# Altium PCB ic_tester.PcbDoc (part 1 of 2)
Units mm, origin at the board's own origin, x right, y up, seen from the top; angles counter-clockwise.
Board outline 163 x 108 mm, 2 copper layers (Top Layer, Bottom Layer); 236 components, 232 nets, 1123 pads, 124 vias.
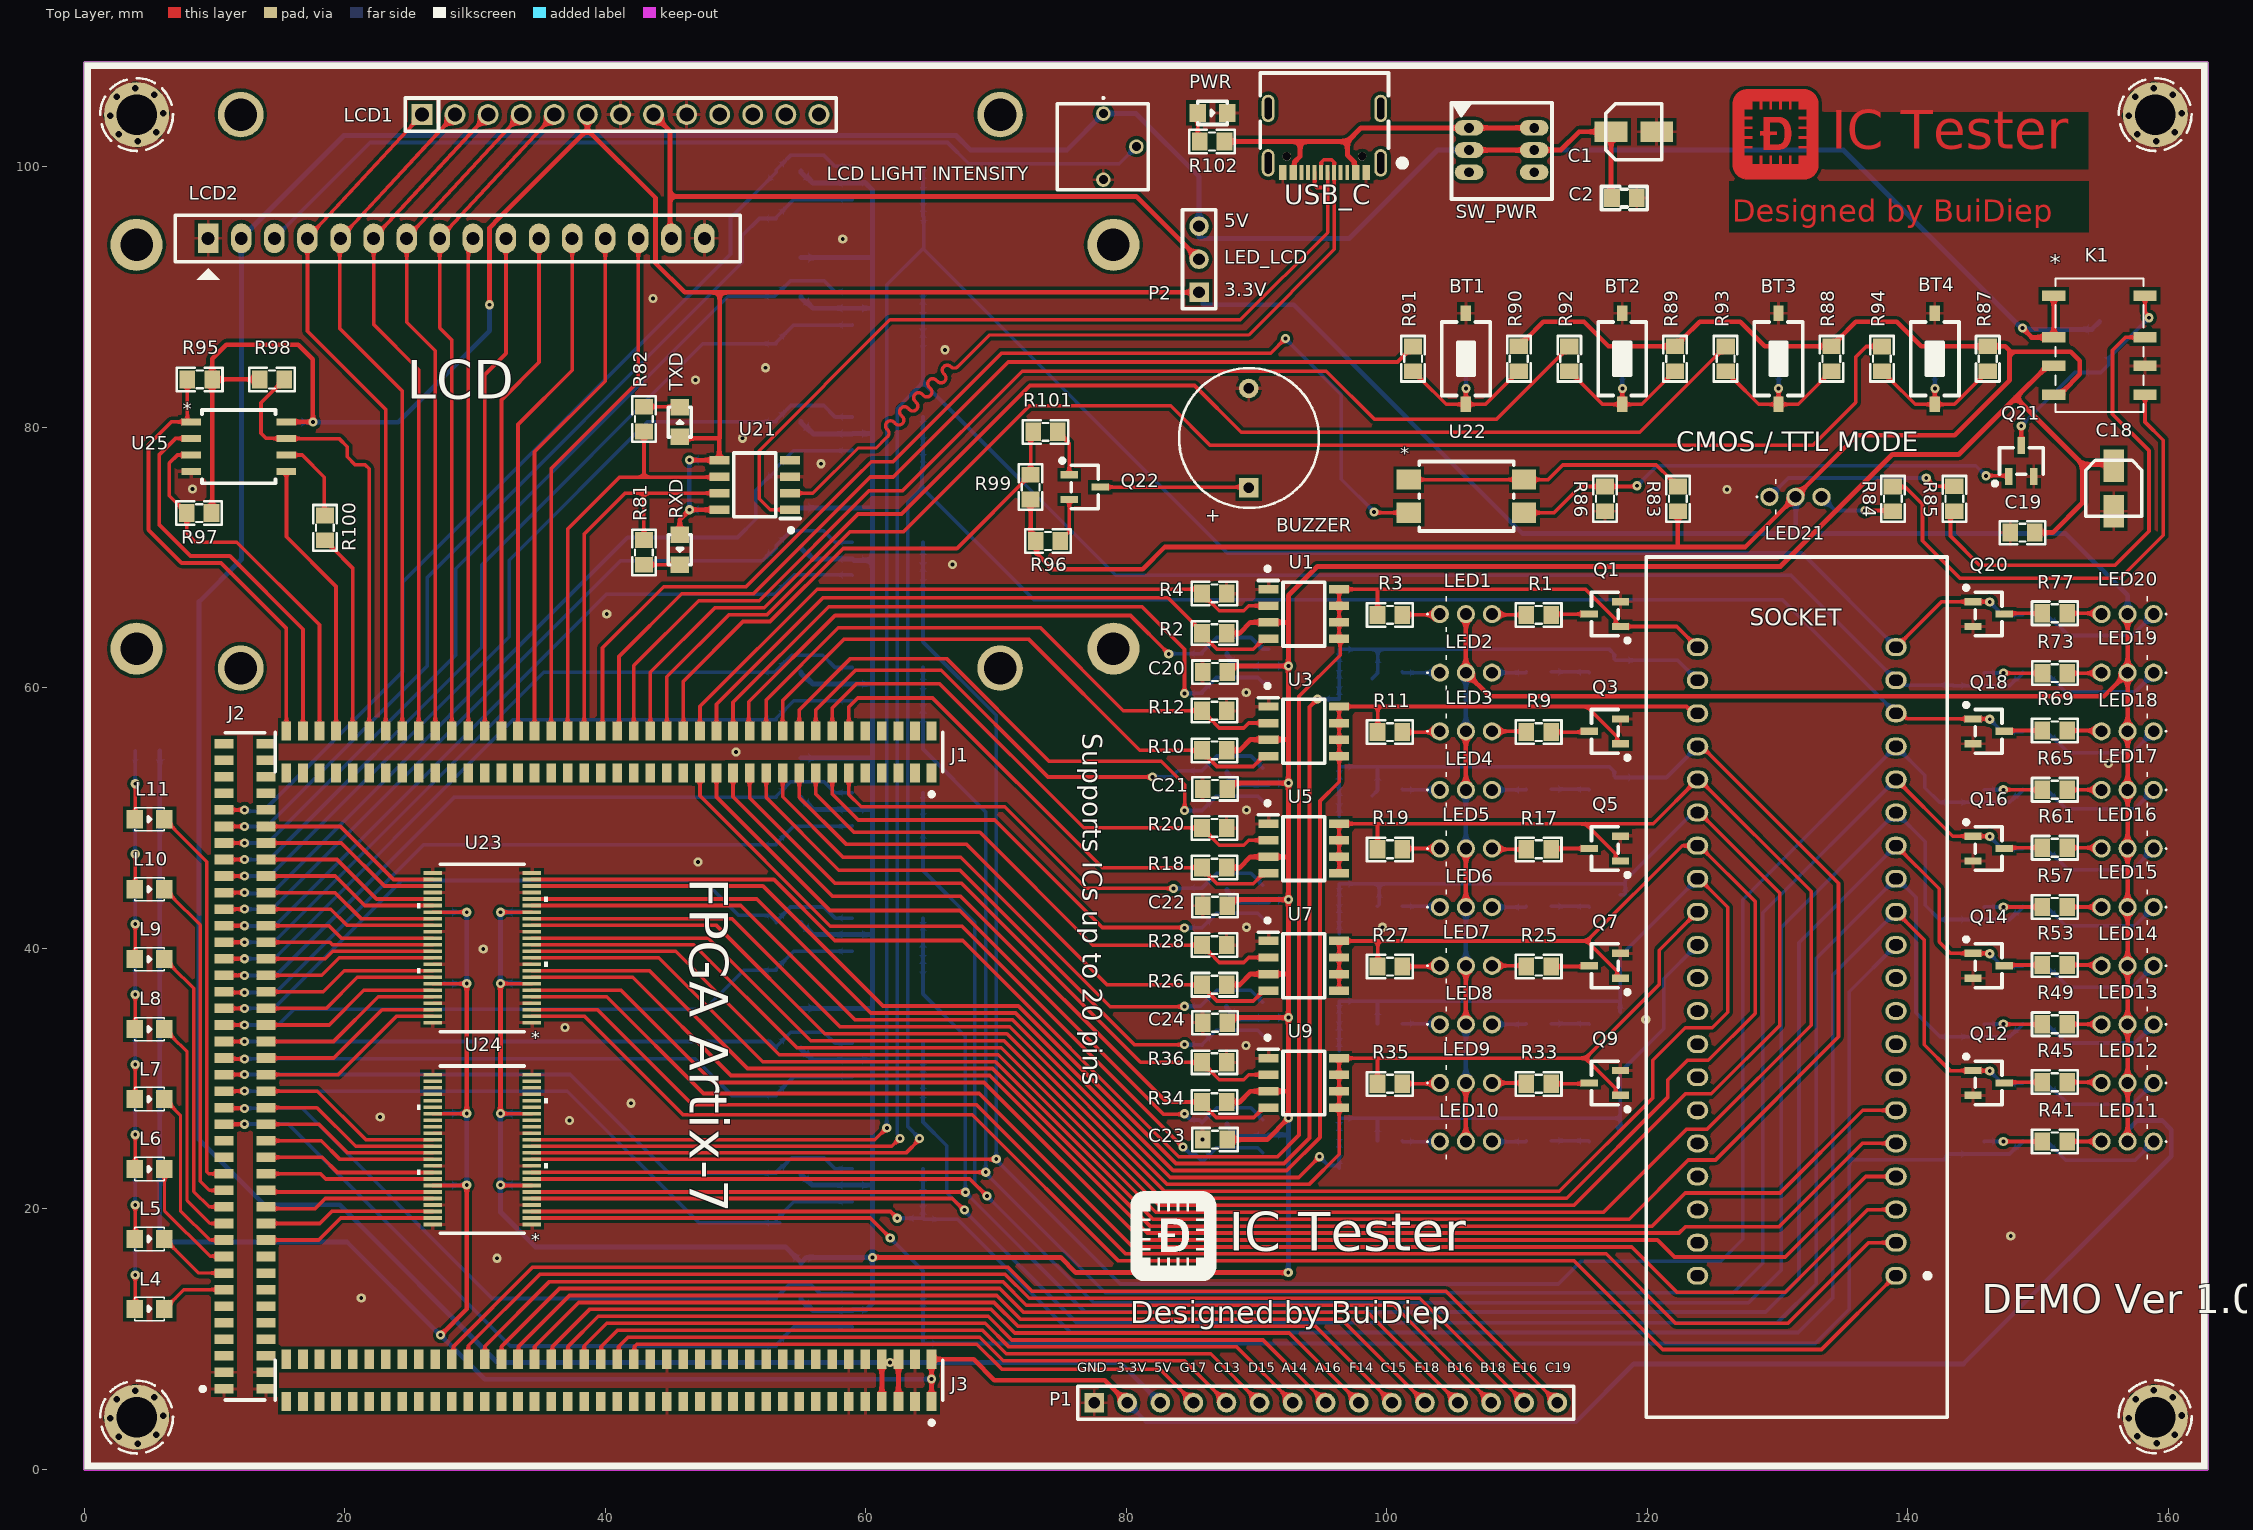
[diagram p0: Top Layer view]
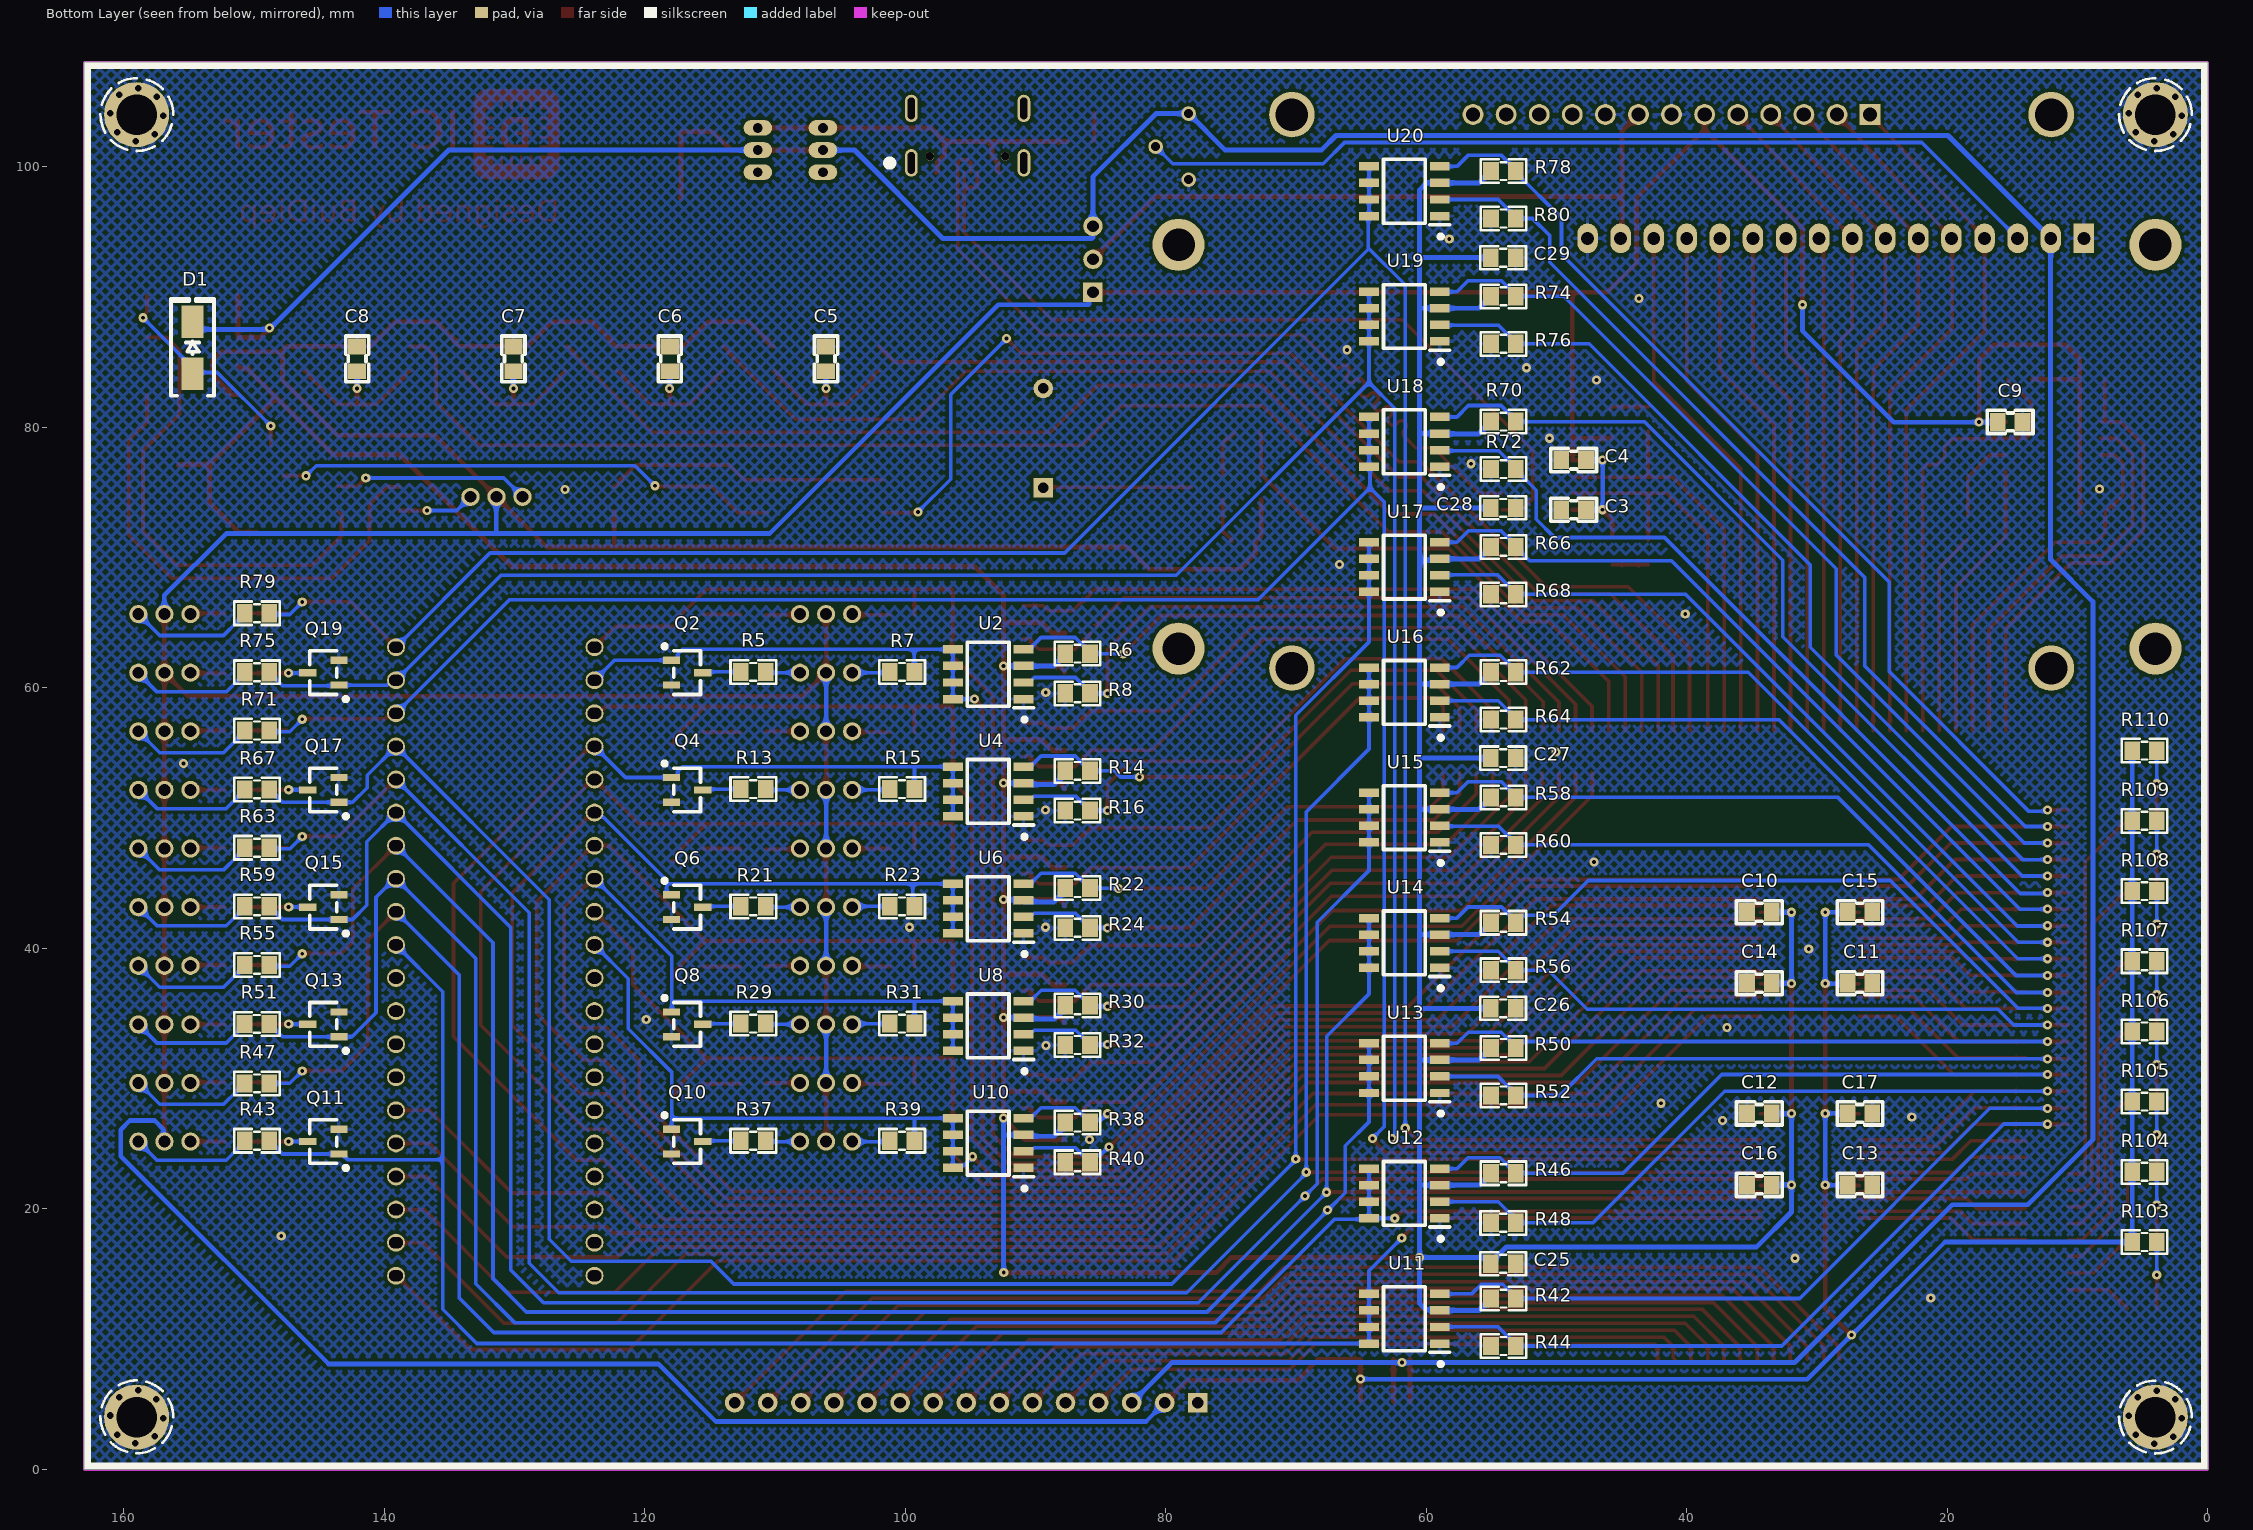
[diagram p1: Bottom Layer view, seen from below]

## Layer stack, top to bottom
Top Solder: solder mask 0.0102, Solder Resist, Dk 3.5
Top Layer: signal copper 0.0356
Dielectric 1: dielectric 0.32, FR-4, Dk 4.8
Bottom Layer: signal copper 0.0356
Bottom Solder: solder mask 0.0102, Solder Resist, Dk 3.5

## Board outline
-0.001,0 -0.001,108 162.999,108 162.999,0

## Design rules (kind name [scope] priority, off if disabled: settings)
Clearance [All] p1: gap=0.254 ignorepadtopadclearanceinfootprint=FALSE
DiffPairsRouting [All] p1: maxlimit=0.254 minlimit=0.254 mostfreqgap=0.254 toplayer_minwidth=0.254 toplayer_maxwidth=0.381 toplayer_prefwidth=0.279 bottomlayer_minwidth=0.254 bottomlayer_maxwidth=0.381 bottomlayer_prefwidth=0.279 maxuncoupledlength=12.7
PolygonConnect [All] p1: connectstyle=Relief reliefconductorwidth=0.254 reliefentries=4 polygonreliefangle="90 Angle" airgapwidth=0.254
RoutingVias [All] p1: holewidth=0.3 width=0.7 viastyle="Through Hole" minholewidth=0.127 minwidth=0.254 maxholewidth=0.3 maxwidth=0.7
SolderMaskExpansion [All] p1: expansion=0.102 istentingtop=FALSE
Width [All] p1: maxlimit=0.381 minlimit=0.254 preferedwidth=0.279
29 further rules are at their usual default settings.

## Classes and differential pairs
net class DEBUG_LED: DEBUG_L0 DEBUG_L1 DEBUG_L2 DEBUG_L3 DEBUG_L4 DEBUG_L5 DEBUG_L6 DEBUG_L7
net class communicate: RXD TXD USB_D_N USB_D_P
differential pair class DATA: USB_D
component class connect: BT1 BT2 BT3 BT4 BUZZER C1 C2 C3 C4 C5 C6 C7 C8 C9 C10 C11 C12 C13 C14 C15 C16 C17 C18 C19 D1 J1 J2 J3 K1 L4 L5 L6 L7 L8 L9 L10 L11 LCD1 LCD2 "LCD LIGHT INTENSITY" LED21 P1 P2 PWR Q21 Q22 R81 R82 R83 R84 R85 R86 R87 R88 R89 R90 R91 R92 R93 R94 R95 R96 R97 R98 R99 R100 R101 R102 R103 R104 R105 R106 R107 R108 R109 R110 RXD SOCKET SW_PWR TXD U21 U22 U23 U24 U25 USB_C
component class data_right: C25 C26 C27 C28 C29 LED11 LED12 LED13 LED14 LED15 LED16 LED17 LED18 LED19 LED20 Locked Q11 Q12 Q13 Q14 Q15 Q16 Q17 Q18 Q19 Q20 R41 R42 R43 R44 R45 R46 R47 R48 R49 R50 R51 R52 R53 R54 R55 R56 R57 R58 R59 R60 R61 R62 R63 R64 R65 R66 R67 R68 R69 R70 R71 R72 R73 R74 R75 R76 R77 R78 R79 R80 True U11 U12 U13 U14 U15 U16 U17 U18 U19 U20
component class data_left: C20 C21 C22 C23 C24 LED1 LED2 LED3 LED4 LED5 LED6 LED7 LED8 LED9 LED10 Q1 Q2 Q3 Q4 Q5 Q6 Q7 Q8 Q9 Q10 R1 R2 R3 R4 R5 R6 R7 R8 R9 R10 R11 R12 R13 R14 R15 R16 R17 R18 R19 R20 R21 R22 R23 R24 R25 R26 R27 R28 R29 R30 R31 R32 R33 R34 R35 R36 R37 R38 R39 R40 U1 U2 U3 U4 U5 U6 U7 U8 U9 U10
differential pair USB_D: +USB_D_P -USB_D_N

## Components (designator, comment, footprint, x,y, rotation, side; value= is the part's Value field where it differs from the comment)
BT1 "Nut Nhan 2 Chan SMD 3x6x2.5" "Nut Nhan 2 Chan SMD 3x6x2.5" 106.062,85.249 r90 top locked
BT2 "Nut Nhan 2 Chan SMD 3x6x2.5" "Nut Nhan 2 Chan SMD 3x6x2.5" 118.062,85.249 r90 top locked
BT3 "Nut Nhan 2 Chan SMD 3x6x2.5" "Nut Nhan 2 Chan SMD 3x6x2.5" 130.062,85.249 r90 top locked
BT4 "Nut Nhan 2 Chan SMD 3x6x2.5" "Nut Nhan 2 Chan SMD 3x6x2.5" 142.062,85.249 r90 top locked
BUZZER "Coi Chip Speaker" "Coi Chip Speacker" 89.4,75.352 r90 top (schematic designator LS1)
C1 "10uF/16V" "tu nhom 4 (b)" 118.951,102.68 r0 top
C2 "104" "tu 0805" 118.226,97.588 r0 top
C3 "104" "tu 0805" 48.666,73.658 r0 bottom
C4 "104" "tu 0805" 48.666,77.468 r0 bottom
C5 "104" "tu 0805" 106.062,85.249 r270 bottom locked
C6 "104" "tu 0805" 118.062,85.249 r270 bottom locked
C7 "104" "tu 0805" 130.062,85.249 r270 bottom locked
C8 "104" "tu 0805" 142.062,85.249 r270 bottom locked
C9 "104" "tu 0805" 15.157,80.405 r180 bottom locked
C10 "104" "Tu 0805" 34.409,42.764 r180 bottom locked
C11 "104" "Tu 0805" 26.687,37.303 r0 bottom
C12 "104" "Tu 0805" 34.409,27.311 r180 bottom locked
C13 "104" "Tu 0805" 26.687,21.824 r0 bottom
C14 "104" "Tu 0805" 34.409,37.303 r180 bottom locked
C15 "104" "Tu 0805" 26.687,42.764 r0 bottom
C16 "104" "Tu 0805" 34.409,21.824 r180 bottom locked
C17 "104" "Tu 0805" 26.687,27.311 r0 bottom
C18 "10uF/16V" "tu nhom 4 (b)" 155.8,75.3 r270 top
C19 "104" "tu 0805" 148.8,71.9 r180 top
C20 "104" "tu 0805" 86.8,61.2 r180 top
C21 "104" "tu 0805" 86.8,52.225 r180 top
C22 "104" "tu 0805" 86.8,43.25 r180 top
C23 "104" "tu 0805" 86.8,25.3 r180 top
C24 "104" "tu 0805" 86.8,34.275 r180 top
C25 "104" "tu 0805" 54.077,15.773 r180 bottom
C26 "104" "tu 0805" 54.077,35.382 r180 bottom
C27 "104" "tu 0805" 54.077,54.593 r180 bottom
C28 "104" "tu 0805" 54.077,73.804 r180 bottom
C29 "104" "tu 0805" 54.077,93.015 r180 bottom
D1 "SS14" "DIODE SMA" 154.7,86.1 r90 bottom
J1 "40X2 1.27mm" CLP-140-02-XXX-D-A 40.27,55.066 r0 top locked
J2 "40X2 1.27mm" CLP-140-02-XXX-D-A 12.33,30.93 r270 top locked
J3 "40X2 1.27mm" CLP-140-02-XXX-D-A 40.27,6.82 r0 top locked
K1 "RELAY DC5" "G6K-2F-Y DC3_OMR" 154.7,86.3 r0 top
L4 "LED 0805" LED-0805-Green 4.999,12.3 r0 top
L5 "LED 0805" LED-0805-Green 4.999,17.671 r0 top
L6 "LED 0805" LED-0805-Green 4.999,23.043 r0 top
L7 "LED 0805" LED-0805-Green 4.999,28.414 r0 top
L8 "LED 0805" LED-0805-Green 4.999,33.786 r0 top
L9 "LED 0805" LED-0805-Green 4.999,39.157 r0 top
L10 "LED 0805" LED-0805-Green 4.999,44.529 r0 top
L11 "LED 0805" LED-0805-Green 4.999,49.9 r0 top
LCD1 "GMG12864-06D" GMG12864-06D 25.909,104 r180 top locked
LCD2 "LCD 16x2A" LCD16X2N 9.499,94.5 r0 top locked value=LCD16x2A
"LCD LIGHT INTENSITY" "10K" 3362P_1 74.694,101.539 r270 top value="VR 10K" (schematic designator VR1)
LED1 "WP3VEGW" WP3VEGW 106.062,65.649 r90 top locked
LED2 "WP3VEGW" WP3VEGW 106.062,61.149 r90 top locked
LED3 "WP3VEGW" WP3VEGW 106.062,56.649 r90 top locked
LED4 "WP3VEGW" WP3VEGW 106.062,52.149 r90 top locked
LED5 "WP3VEGW" WP3VEGW 106.062,47.649 r90 top locked
LED6 "WP3VEGW" WP3VEGW 106.062,43.149 r90 top locked
LED7 "WP3VEGW" WP3VEGW 106.062,38.649 r90 top locked
LED8 "WP3VEGW" WP3VEGW 106.062,34.149 r90 top locked
LED9 "WP3VEGW" WP3VEGW 106.062,29.649 r90 top locked
LED10 "WP3VEGW" WP3VEGW 106.062,25.149 r90 top locked
LED11 "WP3VEGW" WP3VEGW 156.862,25.149 r270 top locked
LED12 "WP3VEGW" WP3VEGW 156.862,29.649 r270 top locked
LED13 "WP3VEGW" WP3VEGW 156.862,34.149 r270 top locked
LED14 "WP3VEGW" WP3VEGW 156.862,38.649 r270 top locked
LED15 "WP3VEGW" WP3VEGW 156.862,43.149 r270 top locked
LED16 "WP3VEGW" WP3VEGW 156.862,47.649 r270 top locked
LED17 "WP3VEGW" WP3VEGW 156.862,52.149 r270 top locked
LED18 "WP3VEGW" WP3VEGW 156.862,56.649 r270 top locked
LED19 "WP3VEGW" WP3VEGW 156.862,61.149 r270 top locked
LED20 "WP3VEGW" WP3VEGW 156.862,65.649 r270 top locked
LED21 "WP3VEGW" WP3VEGW 131.362,74.649 r90 top locked
P1 "Header 15" HDR1X15 77.519,5.1 r0 top locked
P2 "Header 3" HDR1X3 85.573,90.348 r90 top
PWR "LED 0805" LED-0805-GREEN 86.606,104.13 r0 top (schematic designator L3)
Q1 "AO3400A" SOT-23-3L_AOS 116.73,65.649 r90 top locked
Q2 "AO3400A" SOT-23-3L_AOS 116.73,61.149 r270 bottom locked
Q3 "AO3400A" SOT-23-3L_AOS 116.73,56.649 r90 top locked
Q4 "AO3400A" SOT-23-3L_AOS 116.73,52.149 r270 bottom locked
Q5 "AO3400A" SOT-23-3L_AOS 116.73,47.649 r90 top locked
Q6 "AO3400A" SOT-23-3L_AOS 116.73,43.149 r270 bottom locked
Q7 "AO3400A" SOT-23-3L_AOS 116.73,38.649 r90 top locked
Q8 "AO3400A" SOT-23-3L_AOS 116.73,34.149 r270 bottom locked
Q9 "AO3400A" SOT-23-3L_AOS 116.73,29.649 r90 top locked
Q10 "AO3400A" SOT-23-3L_AOS 116.73,25.149 r270 bottom locked
Q11 "AO3400A" SOT-23-3L_AOS 144.662,25.149 r90 bottom locked
Q12 "AO3400A" SOT-23-3L_AOS 146.194,29.649 r270 top locked
Q13 "AO3400A" SOT-23-3L_AOS 144.662,34.149 r90 bottom locked
Q14 "AO3400A" SOT-23-3L_AOS 146.194,38.649 r270 top locked
Q15 "AO3400A" SOT-23-3L_AOS 144.662,43.149 r90 bottom locked
Q16 "AO3400A" SOT-23-3L_AOS 146.194,47.649 r270 top locked
Q17 "AO3400A" SOT-23-3L_AOS 144.662,52.149 r90 bottom locked
Q18 "AO3400A" SOT-23-3L_AOS 146.194,56.649 r270 top locked
Q19 "AO3400A" SOT-23-3L_AOS 144.662,61.149 r90 bottom locked
Q20 "AO3400A" SOT-23-3L_AOS 146.194,65.649 r270 top locked
Q21 "AO3400A" SOT-23-3L_AOS 148.7,77.4 r0 top
Q22 "AO3401A" SOT-23-3L_AOS 76.799,75.4 r270 top
R1 "3K" "TRO SMD 0805" 111.65,65.649 r0 top locked
R2 "10k" "TRO SMD 0805" 86.758,64.125 r180 top locked
R3 "220R" "TRO SMD 0805" 100.22,65.649 r0 top locked
R4 "10k" "TRO SMD 0805" 86.758,67.173 r180 top locked
R5 "3K" "TRO SMD 0805" 111.65,61.149 r0 bottom locked
R6 "10k" "TRO SMD 0805" 86.758,62.673 r180 bottom locked
R7 "220R" "TRO SMD 0805" 100.22,61.149 r0 bottom locked
R8 "10k" "TRO SMD 0805" 86.758,59.625 r180 bottom locked
R9 "3K" "TRO SMD 0805" 111.65,56.649 r0 top locked
R10 "10k" "TRO SMD 0805" 86.758,55.125 r180 top locked
R11 "220R" "TRO SMD 0805" 100.22,56.649 r0 top locked
R12 "10k" "TRO SMD 0805" 86.758,58.173 r180 top locked
R13 "3K" "TRO SMD 0805" 111.65,52.149 r0 bottom locked
R14 "10k" "TRO SMD 0805" 86.758,53.673 r180 bottom locked
R15 "220R" "TRO SMD 0805" 100.22,52.149 r0 bottom locked
R16 "10k" "TRO SMD 0805" 86.758,50.625 r180 bottom locked
R17 "3K" "TRO SMD 0805" 111.65,47.649 r0 top locked
R18 "10k" "TRO SMD 0805" 86.758,46.125 r180 top locked
R19 "220R" "TRO SMD 0805" 100.22,47.649 r0 top locked
R20 "10k" "TRO SMD 0805" 86.758,49.173 r180 top locked
R21 "3K" "TRO SMD 0805" 111.65,43.149 r0 bottom locked
R22 "10k" "TRO SMD 0805" 86.758,44.673 r180 bottom locked
R23 "220R" "TRO SMD 0805" 100.22,43.149 r0 bottom locked
R24 "10k" "TRO SMD 0805" 86.758,41.625 r180 bottom locked
R25 "3K" "TRO SMD 0805" 111.65,38.649 r0 top locked
R26 "10k" "TRO SMD 0805" 86.758,37.125 r180 top locked
R27 "220R" "TRO SMD 0805" 100.22,38.649 r0 top locked
R28 "10k" "TRO SMD 0805" 86.758,40.173 r180 top locked
R29 "3K" "TRO SMD 0805" 111.65,34.149 r0 bottom locked
R30 "10k" "TRO SMD 0805" 86.758,35.673 r180 bottom locked
R31 "220R" "TRO SMD 0805" 100.22,34.149 r0 bottom locked
R32 "10k" "TRO SMD 0805" 86.758,32.625 r180 bottom locked
R33 "3K" "TRO SMD 0805" 111.65,29.649 r0 top locked
R34 "10k" "TRO SMD 0805" 86.758,28.125 r180 top locked
R35 "220R" "TRO SMD 0805" 100.22,29.649 r0 top locked
R36 "10k" "TRO SMD 0805" 86.758,31.173 r180 top locked
R37 "3K" "TRO SMD 0805" 111.65,25.149 r0 bottom locked
R38 "10k" "TRO SMD 0805" 86.758,26.673 r180 bottom locked
R39 "220R" "TRO SMD 0805" 100.22,25.149 r0 bottom locked
R40 "10k" "TRO SMD 0805" 86.758,23.625 r180 bottom locked
R41 "3K" "TRO SMD 0805" 151.274,25.098 r180 top locked
R42 "10k" "TRO SMD 0805" 54.062,13.161 r180 bottom locked
R43 "220R" "TRO SMD 0805" 149.75,25.149 r0 bottom locked
R44 "10k" "TRO SMD 0805" 54.062,9.518 r180 bottom locked
R45 "3K" "TRO SMD 0805" 151.274,29.649 r180 top locked
R46 "10k" "TRO SMD 0805" 54.062,22.779 r180 bottom locked
R47 "220R" "TRO SMD 0805" 149.757,29.558 r0 bottom
R48 "10k" "TRO SMD 0805" 54.065,18.975 r180 bottom
R49 "3K" "TRO SMD 0805" 151.274,34.098 r180 top locked
R50 "10k" "TRO SMD 0805" 54.062,32.397 r180 bottom locked
R51 "220R" "TRO SMD 0805" 149.762,34.124 r0 bottom locked
R52 "10k" "TRO SMD 0805" 54.062,28.754 r180 bottom locked
R53 "3K" "TRO SMD 0805" 151.274,38.649 r180 top locked
R54 "10k" "TRO SMD 0805" 54.062,42.016 r180 bottom locked
R55 "220R" "TRO SMD 0805" 149.75,38.649 r0 bottom locked
R56 "10k" "TRO SMD 0805" 54.062,38.372 r180 bottom locked
R57 "3K" "TRO SMD 0805" 151.274,43.098 r180 top locked
R58 "10k" "TRO SMD 0805" 54.062,51.634 r180 bottom locked
R59 "220R" "TRO SMD 0805" 149.75,43.149 r0 bottom locked
R60 "10k" "TRO SMD 0805" 54.062,47.99 r180 bottom locked
R61 "3K" "TRO SMD 0805" 151.274,47.649 r180 top locked
R62 "10k" "TRO SMD 0805" 54.062,61.252 r180 bottom locked
R63 "220R" "TRO SMD 0805" 149.75,47.649 r0 bottom locked
R64 "10k" "TRO SMD 0805" 54.062,57.609 r180 bottom locked
R65 "3K" "TRO SMD 0805" 151.274,52.098 r180 top locked
R66 "10k" "TRO SMD 0805" 54.062,70.87 r180 bottom locked
R67 "220R" "TRO SMD 0805" 149.75,52.124 r0 bottom locked
R68 "10k" "TRO SMD 0805" 54.062,67.227 r180 bottom locked
R69 "3K" "TRO SMD 0805" 151.274,56.649 r180 top locked
R70 "10k" "TRO SMD 0805" 54.062,80.488 r180 bottom locked
R71 "220R" "TRO SMD 0805" 149.75,56.649 r0 bottom locked
R72 "10k" "TRO SMD 0805" 54.062,76.845 r180 bottom locked
R73 "3K" "TRO SMD 0805" 151.281,61.054 r180 top locked
R74 "10k" "TRO SMD 0805" 54.062,90.107 r180 bottom locked
R75 "220R" "TRO SMD 0805" 149.75,61.124 r0 bottom locked
R76 "10k" "TRO SMD 0805" 54.062,86.463 r180 bottom locked
R77 "3K" "TRO SMD 0805" 151.274,65.649 r180 top locked
R78 "10k" "TRO SMD 0805" 54.062,99.725 r180 bottom locked
R79 "220R" "TRO SMD 0805" 149.75,65.649 r0 bottom locked
R80 "10k" "TRO SMD 0805" 54.062,96.081 r180 bottom
R81 "1K" "TRO SMD 0805" 42.889,70.381 r90 top
R82 "1K" "TRO SMD 0805" 43.016,80.625 r270 top
R83 "1k" "TRO SMD 0805" 122.399,74.5 r270 top
R84 "3k" "TRO SMD 0805" 138.9,74.5 r270 top
R85 "220R" "TRO SMD 0805" 143.5,74.5 r90 top
R86 "10k" "TRO SMD 0805" 116.799,74.5 r270 top
R87 "10k" "TRO SMD 0805" 146.062,85.252 r90 top locked
R88 "10k" "TRO SMD 0805" 134.062,85.252 r90 top locked
R89 "10k" "TRO SMD 0805" 122.062,85.252 r90 top locked
R90 "10k" "TRO SMD 0805" 110.062,85.252 r90 top locked
R91 "220R" "TRO SMD 0805" 102.062,85.252 r270 top locked
R92 "220R" "TRO SMD 0805" 114.062,85.252 r270 top locked
R93 "220R" "TRO SMD 0805" 126.062,85.252 r270 top locked
R94 "220R" "TRO SMD 0805" 138.062,85.252 r270 top locked
R95 "10k" "TRO SMD 0805" 8.845,83.727 r0 top locked
R96 "30" "TRO SMD 0805" 73.984,71.2 r180 top
R97 "10k" "TRO SMD 0805" 8.799,73.466 r0 top locked
R98 "10k" "TRO SMD 0805" 14.399,83.6 r180 top locked
R99 "10k" "TRO SMD 0805" 72.699,75.4 r270 top
R100 "22" "TRO SMD 0805" 18.519,72.275 r270 top
R101 "2K" "TRO SMD 0805" 73.781,79.7 r0 top
R102 "1k5" "TRO SMD 0805" 86.576,101.871 r180 top
R103 "1k" "TRO SMD 0805" 4.845,17.502 r180 bottom
R104 "1k" "TRO SMD 0805" 4.845,22.891 r180 bottom
R105 "1k" "TRO SMD 0805" 4.845,28.28 r180 bottom
R106 "1k" "TRO SMD 0805" 4.845,33.669 r180 bottom
R107 "1k" "TRO SMD 0805" 4.845,39.058 r180 bottom
R108 "1k" "TRO SMD 0805" 4.845,44.447 r180 bottom
R109 "1k" "TRO SMD 0805" 4.845,49.836 r180 bottom
R110 "1k" "TRO SMD 0805" 4.845,55.225 r180 bottom
RXD "LED 0805" LED-0805-GREEN 45.709,70.588 r270 top (schematic designator L1)
SOCKET "SOCKET DIP 20X2" CONN40_40-6554_ARS 131.462,38.979 r180 top locked (schematic designator J5)
SW_PWR "MINI PUSH BUTTON SWITCH 4-PIN" SW_70_31.5D47_TH_ST 106.299,102.976 r270 top locked (schematic designator SW1)
TXD "LED 0805" LED-0805-RED 45.709,80.392 r90 top (schematic designator L2)
U1 "AO4606" SOIC127P600X175-8N 93.616,65.649 r0 top locked
U2 "AO4606" SOIC127P600X175-8N 93.616,61.032 r0 bottom locked
U3 "AO4606" SOIC127P600X175-8N 93.616,56.649 r0 top locked
U4 "AO4606" SOIC127P600X175-8N 93.616,52.032 r0 bottom locked
U5 "AO4606" SOIC127P600X175-8N 93.616,47.649 r0 top locked
U6 "AO4606" SOIC127P600X175-8N 93.616,43.032 r0 bottom locked
U7 "AO4606" SOIC127P600X175-8N 93.616,38.649 r0 top locked
U8 "AO4606" SOIC127P600X175-8N 93.616,34.032 r0 bottom locked
U9 "AO4606" SOIC127P600X175-8N 93.616,29.649 r0 top locked
U10 "AO4606" SOIC127P600X175-8N 93.616,25.032 r0 bottom locked
U11 "AO4606" SOIC127P600X175-8N 61.662,11.549 r0 bottom locked
U12 "AO4606" SOIC127P600X175-8N 61.662,21.167 r0 bottom locked
U13 "AO4606" SOIC127P600X175-8N 61.662,30.786 r0 bottom locked
U14 "AO4606" SOIC127P600X175-8N 61.662,40.404 r0 bottom locked
U15 "AO4606" SOIC127P600X175-8N 61.662,50.022 r0 bottom locked
U16 "AO4606" SOIC127P600X175-8N 61.662,59.64 r0 bottom locked
U17 "AO4606" SOIC127P600X175-8N 61.662,69.258 r0 bottom locked
U18 "AO4606" SOIC127P600X175-8N 61.662,78.877 r0 bottom locked
U19 "AO4606" SOIC127P600X175-8N 61.662,88.495 r0 bottom locked
U20 "AO4606" SOIC127P600X175-8N 61.662,98.113 r0 bottom locked
U21 "CH340N" SOIC127P600X175-8N 51.462,75.567 r180 top
U22 "PC817X1NIP1B" PC817XI_SHP 106.099,74.7 r0 top
U23 "SN74LVC164245-EP" DGG48 30.548,40.021 r180 top locked
U24 "SN74LVC164245-EP" DGG48 30.548,24.531 r180 top locked
U25 "W25Q32" WIN_SS-8_WIN 11.848,78.5 r0 top locked
USB_C "USB4105-GF-A" USB4105_GCT 95.199,103.2 r180 top locked (schematic designator J4)
